# Altium PCB R100.230.010.001-00 Invertor.PcbDoc (part 1 of 2) (continued)
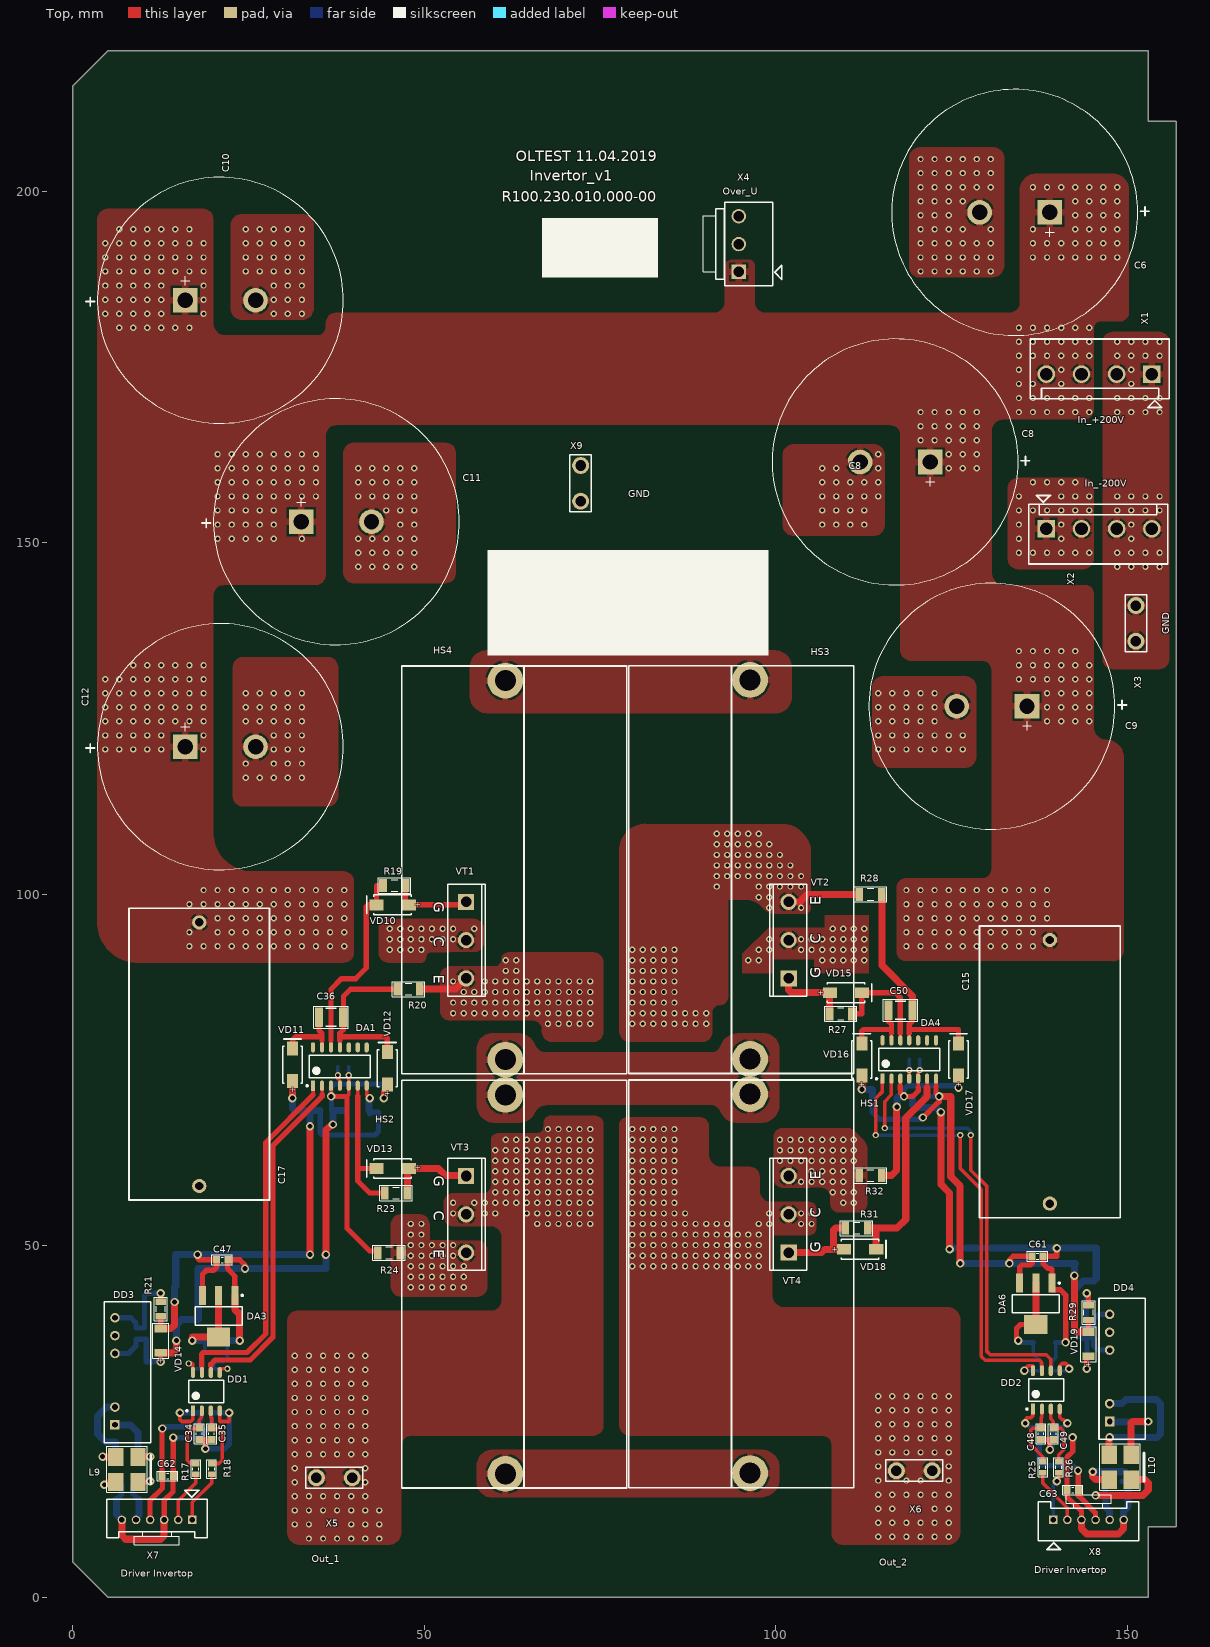
[diagram p0: Top view]
## Footprints (in the part's own frame and the unit in brackets; to place one, negate y for a bottom-side part, rotate by r counter-clockwise, add the part's x,y. Pads: shape width x height; smd on the part's side, far side on the other; paste and mask are expansions set on the pad) (continued)
SMC [mm] "Molded Diode, 2-Leads, Body 6,88x5,90mm, IPC Medium Density"
  rect 2.45x3.15 smd: 1(-2.875,0) 2(2.875,0)
  silkscreen extent -3.6,-3.15 4.67,3.15, body extent -3.79,-3.13 3.79,3.13, height 2.45
SMD_C_0603 [mm]
  rect 1x1.1 smd: 1(-0.8,0) 2(0.8,0)
  silkscreen extent -1.45,-0.7 1.45,0.7, body extent -0.9,-0.45 0.9,0.45, height 0.7
SMD_C_1206 [mm]
  rect 1.45x1.9 smd: 1(-1.6,0) 2(1.6,0)
  silkscreen extent -2.47,-1.1 2.47,1.1, body extent -1.7,-0.9 1.7,0.9, height 1.6
SMD_C_1210 [mm] "Chip Capacitor, 2-Leads, Body 3,20x2,50mm, IPC Low Density"
  rect 1.15x2.8 smd: 1(-1.725,0) 2(1.725,0)
  silkscreen extent -2.47,-1.55 2.47,1.57, body extent -1.75,-1.35 1.75,1.35, height 2.5
SMD_C_1808 [mm] "Chip Capacitor, 2-Leads, Body 4,60x2,00mm, IPC Medium Density"
  rect 1.5x2.4 smd: 1(-2.025,0) 2(2.025,0)
  silkscreen extent -0.75,-1.1 0.75,1.1, body extent -2.55,-1.1 2.55,1.1, height 2.2
SMD_C_1812 [mm] "Chip Capacitor, 2-Leads, Body 4,50x3,20mm, IPC Medium Density"
  rect 1.05x3.5 smd: 1(-2.275,0) 2(2.275,0)
  silkscreen extent -1.35,-1.65 1.35,1.65, body extent -2.45,-1.75 2.45,1.75, height 2
SMD_C_2220 [mm]
  rect 1.05x5.4 smd: 1(-2.875,0) 2(2.875,0)
  silkscreen extent -1.95,-2.6 1.95,2.6, body extent -3.05,-2.7 3.05,2.7, height 2
SMD_R_0603 [mm]
  rect 0.8x1.05 smd: 1(-0.775,0) 2(0.775,0)
  silkscreen extent -1.33,-0.67 1.33,0.67, body extent -0.82,-0.48 0.82,0.48, height 0.5
SMD_R_0805 [mm]
  rect 0.9x1.5 smd: 1(-1.05,0) 2(1.05,0)
  silkscreen extent -1.68,-0.92 1.68,0.92, body extent -1.1,-0.7 1.1,0.7, height 0.5
SMD_R_1206 [mm]
  rect 1.1x1.85 smd: 1(-1.6,0) 2(1.6,0)
  silkscreen extent -2.3,-1.07 2.3,1.07, body extent -1.65,-0.87 1.65,0.87, height 0.6
SMD_R_2512 [mm]
  rect 1.23x3.33 smd: 1(-2.985,0) 2(2.985,0)
  silkscreen extent -2,-1.57 2,1.57, body extent -3.25,-1.65 3.25,1.65, height 0.6
SOD80C [mm] "MELF Diode, 2-Leads, Body 3,50x1,53mm, IPC Medium Density"
  rect 1.1x1.75 smd: 1(-1.725,0) 2(1.725,0)
  silkscreen extent -2.5,-1.12 2.5,1.12, body extent -1.85,-0.8 1.85,0.8, height 1.6
SOIC-8 [mm]
  rect 1.55x0.6 smd: 1(-2.725,1.905)
  oval 1.55x0.6 smd: 2(-2.725,0.635) 3(-2.725,-0.635) 4(-2.725,-1.905) 5(2.725,-1.905) 6(2.725,-0.635) 7(2.725,0.635) 8(2.725,1.905)
  silkscreen extent -2.85,-2.5 1.6,2.88, body extent -3,-2.5 3,2.5, height 1.75
SOIC-14(127P600X175) [mm] "SOIC, 14-Leads, Body 8,65x3,90mm, Pitch 1,27mm, IPC Medium Density"
  rect 1.45x0.6 smd: 1(-2.725,3.81)
  oval 1.45x0.6 smd: 2(-2.725,2.54) 3(-2.725,1.27) 4(-2.725,0) 5(-2.725,-1.27) 6(-2.725,-2.54) 7(-2.725,-3.81) 8(2.725,-3.81) 9(2.725,-2.54) 10(2.725,-1.27) 11(2.725,0) 12(2.725,1.27) 13(2.725,2.54) 14(2.725,3.81)
  silkscreen extent -2.85,-4.35 1.6,4.78, body extent -3,-4.35 3,4.35, height 1.75
SOT-223_M [mm] "SOT223, 4-Leads, Body 6.5x3.5mm, Pitch 2.3mm, Lead Span 7mm, IPC Low Density"
  rect 2.7x1 smd: 1(-2.95,2.3) 2(-2.95,0) 3(-2.95,-2.3)
  rect 2.7x3.3 smd: 4(2.95,0)
  silkscreen extent -3.07,-3.35 1.3,3.48, body extent -1.85,-3.35 1.85,3.35, height 1.8
TO-247AC-3PINS [mm] "SIP with Mounting Hole; 3 Leads; Body 20 x 15.6 x 5 mm (typ); Pitch 5.45 mm"
  rect 2.3x2.3 hole 1.5: 1(-5.45,0)
  round 2.3 hole 1.5: 2(0,0) 3(5.45,0)
  silkscreen extent -7.95,-2.6 7.95,2.7, body extent -7.75,-3 7.75,2, height 30.5

## Part data
C1 C5 C7 C30: library part "C X1Y2 4700pF SMD 2220 250Vac 10%", "SMD C2220 MURATA 250Vac 10% X7R X1Y2"
C2 C3 C26 C29: library part "C1808 1.5nF 2KV 10%", "SMD C 1808 AVX 2kV 10%  X7R"
C4 C16 C24 C33: library part "C1812 0.1u 630V 10%", "SMD C 1812 MURATA 630V 10% X7R"
C6 C8 C9 C10 C11 C12: library part "FC 470uF 20% 450V", "Aluminum Electrolytic Radial D35 H45 LS10 450V 20%"
C15 C17: library part "MKP1 2.2uF 10% 600VDC", "Polypropelene W20 H39.5 L41.5 LS37.5 600VDC 10%"
C34 C35 C48 C49: library part "C0603 100p 100V 5%", "SMD C 0603 MURATA 100V 5% NP0"
C36 C45 C50 C59: library part "C1210 2.2u 100V 10%", "SMD C 1210 MURATA 100V 10% X7R"
C37 C38 C39 C41 C44 C47 C51 C52 C53 C57 C58 C61: library part "C0603 0.1u 50V 10%", "SMD C 0603 MURATA 50V 10% X7R"
C40 C42 C43 C46 C54 C55 C56 C60: library part "C1206 10u 25V 20%", "SMD C 1206 MURATA 25V 20% X5R"
C62 C63: library part "C0603 1uF 25V 10%", "SMD C 0603 MURATA 25V 10% X7R"
DA1 DA4: "Half-Bridge Driver"
DA3 DA6: "Voltage regulator 5.0V 800mA"
DD1 DD2: "Dual Channel Digital Isolator, Enhanced System-Level ESD Reliability, 2.5 KV rms Insulation Rating, 1 Mbps Data Rate, 150 ns Delay, Industrial, 8-pin SOIC (R-8), Tube"
DD3 DD4: "DC/DC"
HS1 HS2 HS3 HS4: "Heat Sink"
L9 L10: "SMD Common Mode Choke Coil 0.5A Z = 3000 Ohm / 100 MHz"
R2 R3 R8 R9: library part "R2512 4.7 1%", "SMD R 2512 VISHAY 1W 500V 1% 100ppm"
R17 R18 R25 R26: library part "R0603 100 1%", "SMD R 0603 VISHAY 0.1W 75V 1% 100ppm"
R19 R23 R27 R31: library part "R1206 6.2 1%", "SMD R 1206 VISHAY 0.25W 200V 1% 100ppm"
R20 R24 R28 R32: library part "R1206 1 1%", "SMD R 1206 VISHAY 0.25W 200V 1% 100ppm"
R21 R29: library part "R0805 49.9 1%", "SMD R 0805 VISHAY 0.125W 150V 1% 100ppm"
R22 R30: library part "R0603 0R 1%", "SMD R 0603 VISHAY 0.1W 75V 1% 100ppm"
VD2 VD3 VD5 VD6: "If=4A, Vf=0.76V Vrrm=200V Diode (SMC)"
VD10 VD13 VD15 VD18: "Vr=100V If=1A Ultrafast"
VD11 VD12 VD16 VD17: "Vr=1000V If=1A Ultrafast"
VD14 VD19: "0.5W Vz=16V +-5%"
VT1 VT2 VT3 VT4: "Insulated Gate Bipolar Transistor with Ultrafast Soft Recovery Diode"
X1 X2: "NV 4 конт LS=5.0 10A 250V PCB"
X3 X5 X6 X9: "PCB, 6.3х0.8, hole"
X4: "VH Top, 10A 250V 3.96mm"
X7 X8: library part 35363-0650, "Sherlock 6 Side, 2A 125V 2mm"

## Free pads (board coordinates)
  rrect20% 2.5x3.5 on Bottom Solder: 5(3.25,53.75) 5(3.25,57.75) 5(3.25,61.75) 5(3.25,65.75) 5(3.25,69.75) 5(3.25,73.75) 5(3.25,77.75) 5(3.25,81.75) 5(3.25,85.75) 5(3.25,89.75) 5(3.25,93.75) 5(3.25,97.75) 5(3.25,101.75) 5(5.25,105.75) 5(5.25,109.75) 5(5.25,113.75) 5(6.25,53.75) 5(6.25,57.75) 5(6.25,61.75) 5(6.25,65.75) 5(6.25,69.75) 5(6.25,73.75) 5(6.25,77.75) 5(6.25,81.75) 5(6.25,85.75) 5(6.25,89.75) 5(6.25,93.75) 5(6.25,97.75) 5(6.25,101.75) 5(8.25,105.75) 5(8.25,109.75) 5(8.25,113.75) 5(9.25,53.75) 5(9.25,57.75) 5(9.25,61.75) 5(9.25,65.75) 5(9.25,69.75) 5(9.25,73.75) 5(9.25,77.75) 5(9.25,81.75) 5(9.25,85.75) 5(9.25,89.75) 5(9.25,93.75) 5(9.25,97.75) 5(9.25,101.75) 5(11.25,105.75) 5(11.25,109.75) 5(11.25,113.75) 5(12.25,53.75) 5(12.25,57.75) 5(12.25,61.75) 5(12.25,65.75) 5(12.25,69.75) 5(12.25,73.75) 5(12.25,77.75) 5(12.25,81.75) 5(12.25,85.75) 5(12.25,89.75) 5(12.25,93.75) 5(12.25,97.75) 5(12.25,101.75) 5(14.25,105.75) 5(14.25,109.75) 5(14.25,113.75) 5(15.25,53.75) 5(15.25,57.75) 5(15.25,61.75) 5(17.25,105.75) 5(17.25,109.75) 5(17.25,113.75) 5(18.25,53.75) 5(18.25,61.75) 5(20.25,105.75) 5(20.25,109.75) 5(20.25,113.75) 5(21.25,53.75) 5(21.25,57.75) 5(21.25,61.75) 5(23.25,105.75) 5(23.25,109.75) 5(23.25,113.75) 5(23.5,172) 5(23.5,176) 5(23.5,180) 5(24.25,53.75) 5(24.25,57.75) 5(24.25,61.75) 5(24.5,132) 5(24.5,136) 5(24.5,140) 5(24.5,144) 5(26.25,105.75) 5(26.25,109.75) 5(26.25,113.75) 5(26.5,172) 5(26.5,176) 5(26.5,180) 5(27.25,53.75) 5(27.25,57.75) 5(27.25,61.75) 5(27.5,132) 5(27.5,136) 5(27.5,140) 5(27.5,144) 5(29.25,105.75) 5(29.25,109.75) 5(29.25,113.75) 5(29.5,172) 5(29.5,176) 5(29.5,180) 5(30.25,53.75) 5(30.25,57.75) 5(30.25,61.75) 5(30.5,132) 5(30.5,136) 5(30.5,140) 5(30.5,144) 5(32.25,105.75) 5(32.25,109.75) 5(32.25,113.75) 5(32.5,172) 5(32.5,176) 5(32.5,180) 5(33.25,53.75) 5(33.25,57.75) 5(33.25,61.75) 5(33.5,132) 5(33.5,136) 5(33.5,140) 5(33.5,144) 5(35.25,108) 5(35.25,112) 5(35.25,116) 5(35.25,120) 5(35.25,124) 5(35.25,128) 5(35.5,180) 5(35.5,172) 5(35.5,176) 5(35.5,184) 5(35.5,188) 5(35.5,192) 5(35.5,196) 5(36.25,53.75) 5(36.25,57.75) 5(36.25,61.75) 5(36.5,132) 5(36.5,136) 5(36.5,140) 5(36.5,144) 5(38.25,108) 5(38.25,112) 5(38.25,116) 5(38.25,120) 5(38.25,124) 5(38.25,128) 5(38.5,180) 5(38.5,168) 5(38.5,172) 5(38.5,176) 5(38.5,184) 5(38.5,188) 5(38.5,192) 5(38.5,196) 5(39.25,53.75) 5(39.25,57.75) 5(39.25,61.75) 5(39.5,132) 5(39.5,136) 5(39.5,140) 5(39.5,144) 5(41.5,180) 5(41.5,164) 5(41.5,168) 5(41.5,172) 5(41.5,176) 5(41.5,184) 5(41.5,188) 5(41.5,192) 5(41.5,196) 5(42.25,41.75) 5(42.25,45.75) 5(42.25,49.75) 5(42.25,53.75) 5(42.25,57.75) 5(42.25,61.75) 5(42.5,132) 5(42.5,136) 5(42.5,140) 5(42.5,144) 5(44.5,180) 5(44.5,164) 5(44.5,168) 5(44.5,172) 5(44.5,176) 5(44.5,184) 5(44.5,188) 5(44.5,192) 5(44.5,196) 5(45.25,41.75) 5(45.25,45.75) 5(45.25,49.75) 5(45.25,53.75) 5(45.25,57.75) 5(45.25,61.75) 5(45.5,132) 5(45.5,136) 5(45.5,140) 5(45.5,144) 5(46.5,10.5) 5(47.5,180) 5(47.5,164) 5(47.5,168) 5(47.5,172) 5(47.5,176) 5(47.5,184) 5(47.5,188) 5(47.5,192) 5(47.5,196) 5(48.5,132) 5(48.5,136) 5(48.5,140) 5(48.5,144) 5(49.5,10.5) 5(50.5,180) 5(50.5,164) 5(50.5,168) 5(50.5,172) 5(50.5,176) 5(50.5,184) 5(50.5,188) 5(50.5,192) 5(50.5,196) 5(51.5,132) 5(51.5,136) 5(51.5,140) 5(51.5,144) 5(51.5,148) 5(51.5,152) 5(51.5,156) 5(51.5,160) 5(52.5,10.5) 5(53.75,168) 5(53.75,172) 5(53.75,176) 5(53.75,180) 5(55.5,10.5) 5(56.75,168) 5(56.75,172) 5(56.75,176) 5(56.75,180) 5(58.5,10.5) 5(59.75,168) 5(59.75,172) 5(59.75,176) 5(59.75,180) 5(61.5,10.5) 5(62.75,168) 5(62.75,172) 5(62.75,176) 5(62.75,180) 5(64.5,10.5) 5(65.75,168) 5(65.75,172) 5(65.75,176) 5(65.75,180) 5(67.5,10.5) 5(67.5,14.5) 5(67.5,18.5) 5(67.5,22.5) 5(67.5,26.5) 5(67.5,30.5) 5(67.5,34.5) 5(67.5,38.5) 5(67.5,42.5) 5(67.5,46.5) 5(67.5,50.5) 5(67.5,70.25) 5(67.5,74.25) 5(67.5,78.25) 5(68.75,168) 5(68.75,172) 5(68.75,176) 5(68.75,180) 5(70.5,10.5) 5(70.5,14.5) 5(70.5,18.5) 5(70.5,22.5) 5(70.5,26.5) 5(70.5,30.5) 5(70.5,34.5) 5(70.5,38.5) 5(70.5,42.5) 5(70.5,46.5) 5(70.5,50.5) 5(70.5,70.25) 5(70.5,74.25) 5(70.5,78.25) 5(71.75,168) 5(71.75,172) 5(71.75,176) 5(71.75,180) 5(73.5,10.5) 5(73.5,14.5) 5(73.5,18.5) 5(73.5,22.5) 5(73.5,26.5) 5(73.5,30.5) 5(73.5,34.5) 5(73.5,38.5) 5(73.5,42.5) 5(73.5,46.5) 5(73.5,50.5) 5(73.5,70.25) 5(73.5,74.25) 5(73.5,78.25) 5(74.75,168) 5(74.75,172) 5(74.75,176) 5(74.75,180) 5(77.75,168) 5(77.75,172) 5(77.75,176) 5(77.75,180) 5(79.25,107) 5(79.25,12.5) 5(79.25,16.5) 5(79.25,20.5) 5(79.25,24.5) 5(79.25,28.5) 5(79.25,32.5) 5(79.25,36.5) 5(79.25,40.5) 5(79.25,44.5) 5(79.25,102.75) 5(80,70.25) 5(80,74.25) 5(80,78.25) 5(80.25,94.5) 5(80.25,98.75) 5(80.75,168) 5(80.75,172) 5(80.75,176) 5(80.75,180) 5(82.25,12.5) 5(82.25,16.5) 5(82.25,20.5) 5(82.25,24.5) 5(82.25,28.5) 5(82.25,32.5) 5(82.25,36.5) 5(82.25,40.5) 5(82.25,44.5) 5(82.25,107) 5(82.25,102.75) 5(83,70.25) 5(83,74.25) 5(83,78.25) 5(83.25,94.5) 5(83.25,98.75) 5(83.75,168) 5(83.75,172) 5(83.75,176) 5(83.75,180) 5(85.25,12.5) 5(85.25,16.5) 5(85.25,20.5) 5(85.25,24.5) 5(85.25,28.5) 5(85.25,32.5) 5(85.25,36.5) 5(85.25,40.5) 5(85.25,44.5) 5(85.25,107) 5(85.25,102.75) 5(86,74.25) 5(86,78.25) 5(86.75,168) 5(86.75,172) 5(86.75,176) 5(86.75,180) 5(88.25,107) 5(88.25,12.5) 5(88.25,16.5) 5(88.25,20.5) 5(88.25,24.5) 5(88.25,28.5) 5(88.25,32.5) 5(88.25,36.5) 5(88.25,40.5) 5(88.25,44.5) 5(89,74.25) 5(89,78.25) 5(89.75,168) 5(89.75,172) 5(89.75,176) 5(89.75,180) 5(91.25,44.5) 5(91.25,10.75) 5(92.75,168) 5(92.75,172) 5(92.75,176) 5(92.75,180) 5(94.25,44.5) 5(94.25,10.75) 5(95.75,168) 5(95.75,172) 5(95.75,176) 5(95.75,180) 5(97.25,44.5) 5(97.25,10.75) 5(98.75,168) 5(98.75,172) 5(98.75,176) 5(98.75,180) 5(100.25,10.75) 5(101.25,144) 5(101.25,148) 5(101.25,152) 5(101.25,156) 5(101.25,160) 5(101.25,164) 5(101.75,184) 5(101.75,188) 5(101.75,192) 5(101.75,196) 5(101.75,200) 5(101.75,204) 5(101.75,168) 5(101.75,172) 5(101.75,176) 5(101.75,180) 5(103.25,10.75) 5(104.25,144) 5(104.25,148) 5(104.25,152) 5(104.25,156) 5(104.25,160) 5(104.25,164) 5(104.75,184) 5(104.75,188) 5(104.75,192) 5(104.75,196) 5(104.75,200) 5(104.75,204) 5(104.75,168) 5(104.75,172) 5(104.75,176) 5(104.75,180) 5(106.25,10.75) 5(107.25,164) 5(107.25,141.5) 5(107.25,145.5) 5(107.25,149.5) 5(107.75,184) 5(107.75,188) 5(107.75,168) 5(107.75,172) 5(107.75,176) 5(107.75,192) 5(107.75,196) 5(107.75,200) 5(107.75,204) 5(107.75,180) 5(109.25,10.75) 5(110.25,141.5) 5(110.25,145.5) 5(110.25,149.5) 5(110.75,184) 5(110.75,188) 5(110.75,192) 5(110.75,196) 5(110.75,200) 5(110.75,204) 5(110.75,168) 5(110.75,172) 5(110.75,176) 5(110.75,180) 5(112.25,10.75) 5(113.25,141.5) 5(113.25,145.5) 5(113.25,149.5) 5(113.75,184) 5(113.75,188) 5(113.75,168) 5(113.75,172) 5(113.75,176) 5(113.75,192) 5(113.75,196) 5(113.75,200) 5(113.75,204) 5(113.75,180) 5(115.25,57.5) 5(115.25,61.5) 5(115.25,112.5) 5(115.25,116.5) 5(115.75,133.25) 5(115.75,137.25) 5(116.25,141.5) 5(116.25,145.5) 5(116.25,149.5) 5(116.25,153.5) 5(116.75,192) 5(116.75,196) 5(116.75,200) 5(116.75,204) 5(118.25,57.5) 5(118.25,61.5) 5(118.25,108.5) 5(118.25,112.5) 5(118.25,116.5) 5(118.75,133.25) 5(118.75,137.25) 5(119.25,141.5) 5(119.25,145.5) 5(119.25,149.5) 5(119.25,153.5) 5(121.25,53.5) 5(121.25,57.5) 5(121.25,61.5) 5(121.25,108.5) 5(121.25,112.5) 5(121.25,116.5) 5(121.75,133.25) 5(121.75,137.25) 5(122.25,141.5) 5(122.25,145.5) 5(122.25,149.5) 5(122.25,153.5) 5(124.25,53.5) 5(124.25,57.5) 5(124.25,61.5) 5(124.25,108.5) 5(124.25,112.5) 5(124.25,116.5) 5(124.75,133.25) 5(124.75,137.25) 5(125.25,141.5) 5(125.25,145.5) 5(125.25,149.5) 5(125.25,153.5) 5(127.25,53.5) 5(127.25,57.5) 5(127.25,61.5) 5(127.25,108.5) 5(127.25,112.5) 5(127.25,116.5) 5(127.75,133.25) 5(127.75,137.25) 5(128.25,141.5) 5(128.25,145.5) 5(128.25,149.5) 5(128.25,153.5) 5(130.25,57.5) 5(130.25,53.5) 5(130.25,61.5) 5(130.25,108.5) 5(130.25,112.5) 5(130.25,116.5) 5(131.25,141.5) 5(131.25,145.5) 5(131.25,149.5) 5(131.25,153.5) 5(133.25,53.5) 5(133.25,57.5) 5(133.25,61.5) 5(133.25,108.5) 5(133.25,112.5) 5(133.25,116.5) 5(134.25,141.5) 5(134.25,145.5) 5(136.25,53.5) 5(136.25,61.5) 5(136.25,108.5) 5(136.25,112.5) 5(136.25,116.5) 5(137.25,141.5) 5(137.25,145.5) 5(139.25,53.5) 5(139.25,61.5) 5(139.25,108.5) 5(139.25,112.5) 5(139.25,116.5) 5(140.25,141.5) 5(140.25,145.5) 5(142.25,53.5) 5(142.25,61.5) 5(142.25,108.5) 5(142.25,112.5) 5(142.25,116.5) 5(143.25,141.5) 5(143.25,145.5) 5(145.25,56.5) 5(145.25,60.5) 5(145.25,64.5) 5(145.25,68.5) 5(145.25,72.5) 5(145.25,76.5) 5(145.25,80.5) 5(145.25,84.5) 5(145.25,88.5) 5(145.25,92.5) 5(145.25,96.5) 5(145.25,100.5) 5(145.25,104.5) 5(145.25,108.5) 5(145.25,112.5) 5(145.25,116.5) 5(148.25,56.5) 5(148.25,60.5) 5(148.25,64.5) 5(148.25,68.5) 5(148.25,72.5) 5(148.25,76.5) 5(148.25,80.5) 5(148.25,84.5) 5(148.25,88.5) 5(148.25,92.5) 5(148.25,96.5) 5(148.25,100.5) 5(148.25,104.5) 5(148.25,108.5) 5(148.25,112.5) 5(148.25,116.5) 5(151.25,56.5) 5(151.25,60.5) 5(151.25,64.5) 5(151.25,68.5) 5(151.25,72.5) 5(151.25,76.5) 5(151.25,80.5) 5(151.25,84.5) 5(151.25,88.5) 5(151.25,92.5) 5(151.25,96.5) 5(151.25,100.5) 5(151.25,104.5) 5(151.25,108.5) 5(151.25,112.5) 5(151.25,116.5) 5(154.25,56.5) 5(154.25,60.5) 5(154.25,64.5) 5(154.25,68.5) 5(154.25,72.5) 5(154.25,76.5) 5(154.25,80.5) 5(154.25,84.5) 5(154.25,88.5) 5(154.25,92.5) 5(154.25,96.5) 5(154.25,100.5) 5(154.25,104.5) 5(154.25,108.5) 5(154.25,112.5) 5(154.25,116.5)
  rrect20% 2.5x3.5 on Top Solder: 5(5,99) 5(5,103) 5(5,107) 5(5,111) 5(5,133.5) 5(5,137.5) 5(5,141.5) 5(5,145.5) 5(5,149.5) 5(5,153.5) 5(5,157.5) 5(5,161.5) 5(5,165.5) 5(8,95) 5(8,107) 5(8,99) 5(8,103) 5(8,137.5) 5(8,141.5) 5(8,145.5) 5(8,149.5) 5(8,153.5) 5(8,157.5) 5(8,161.5) 5(8,165.5) 5(11,95) 5(11,99) 5(11,103) 5(11,137.5) 5(11,141.5) 5(11,145.5) 5(11,149.5) 5(11,153.5) 5(11,157.5) 5(11,161.5) 5(11,165.5) 5(14,95) 5(14,99) 5(14,103) 5(14,141.5) 5(14,145.5) 5(14,149.5) 5(14,153.5) 5(14,157.5) 5(14,161.5) 5(14,165.5) 5(17,103) 5(17,141.5) 5(17,145.5) 5(17,149.5) 5(17,153.5) 5(17,157.5) 5(17,161.5) 5(17,165.5) 5(132.5,104) 5(132.5,108) 5(135.5,104) 5(135.5,108) 5(138.5,104) 5(138.5,108) 5(141.5,104) 5(141.5,108) 5(141.5,112) 5(141.5,96) 5(141.5,100) 5(144.5,104) 5(144.5,108) 5(144.5,96) 5(144.5,100) 5(144.5,112) 5(144.5,116) 5(147.5,104) 5(147.5,108) 5(147.5,96) 5(147.5,100) 5(147.5,112) 5(147.5,116)
  rrect20% 3.5x2.5 on Top Solder: 5(37.5,171.5) 5(37.5,174.5) 5(41.5,171.5) 5(41.5,174.5) 5(41.5,177.5) 5(41.5,180.5) 5(45.5,171.5) 5(45.5,174.5) 5(45.5,177.5) 5(45.5,180.5) 5(49.5,168.5) 5(49.5,171.5) 5(49.5,174.5) 5(49.5,177.5) 5(49.5,180.5) 5(53.5,168.5) 5(53.5,171.5) 5(53.5,174.5) 5(53.5,177.5) 5(53.5,180.5) 5(57.5,168.5) 5(57.5,171.5) 5(57.5,174.5) 5(57.5,177.5) 5(57.5,180.5) 5(61.5,168.5) 5(61.5,171.5) 5(61.5,174.5) 5(61.5,177.5) 5(61.5,180.5) 5(65.5,168.5) 5(65.5,171.5) 5(65.5,174.5) 5(65.5,177.5) 5(65.5,180.5) 5(69.5,168.5) 5(69.5,171.5) 5(69.5,174.5) 5(69.5,177.5) 5(69.5,180.5) 5(73.5,168.5) 5(73.5,171.5) 5(73.5,174.5) 5(73.5,177.5) 5(73.5,180.5) 5(77.5,168.5) 5(77.5,171.5) 5(77.5,174.5) 5(77.5,177.5) 5(77.5,180.5) 5(81.5,168.5) 5(81.5,171.5) 5(81.5,174.5) 5(81.5,177.5) 5(81.5,180.5) 5(85.5,168.5) 5(85.5,171.5) 5(85.5,174.5) 5(85.5,177.5) 5(85.5,180.5) 5(89.5,168.5) 5(89.5,171.5) 5(89.5,174.5) 5(89.5,177.5) 5(89.5,180.5) 5(93.5,168.5) 5(93.5,171.5) 5(93.5,174.5) 5(93.5,177.5) 5(93.5,180.5) 5(97.5,168.5) 5(97.5,171.5) 5(97.5,174.5) 5(97.5,177.5) 5(97.5,180.5) 5(101.5,174.5) 5(101.5,177.5) 5(101.5,180.5) 5(105.5,177.5) 5(105.5,180.5) 5(109.5,180.5) 5(113.5,180.5) 5(117.5,180.5) 5(121.5,180.5) 5(125.5,180.5) 5(129.5,177.5) 5(129.5,180.5)

## Via types
v1: diameter 0.9, hole 0.5, Top to Bottom, 1255 vias
v2: diameter 1.2, hole 0.7, Top to Bottom, 53 vias

## Nets (pads, with @x,y where several pads share a name; then routed paths per layer and width w, separated by ;. In a path a pad name is that pad's centre, name@x,y a point inside that pad or via, vN(x,y) a via of type N, cw(c..) or ccw(c..) an arc to the next point about the centre after c; other vN are vias at no path point)
+VIN_200: C1.1 C2.2 C3.2 C4.2 C5.1 C6.1 C8.1 C9.1 C10.1 C11.1 C12.1 C15.1 C16.2 C17.1 C24.2 C33.2 VT1.2 VT2.2 X1.3 X1.4 X4.1
  other v1: 96.1,90.6 97.6,90.6 106.6,90.6 108.1,90.6 109.6,90.6 111.1,90.6 112.6,90.6 45.1,92.1 46.6,92.1 48.1,92.1 49.6,92.1 97.6,92.1 99.1,92.1 103.6,92.1 105.1,92.1 106.6,92.1 108.1,92.1 109.6,92.1 111.1,92.1 112.6,92.1 16.6,92.6 18.6,92.6 20.6,92.6 22.6,92.6 24.6,92.6 26.6,92.6 28.6,92.6 30.6,92.6 32.6,92.6 34.6,92.6 36.6,92.6 38.6,92.6 118.6,92.6 120.6,92.6 122.6,92.6 124.6,92.6 126.6,92.6 128.6,92.6 130.6,92.6 132.6,92.6 134.6,92.6 136.6,92.6 45.1,93.6 46.6,93.6 48.1,93.6 49.6,93.6 51.1,93.6 52.6,93.6 54.1,93.6 99.1,93.6 103.6,93.6 105.1,93.6 106.6,93.6 108.1,93.6 109.6,93.6 111.1,93.6 112.6,93.6 16.6,94.6 20.6,94.6 22.6,94.6 24.6,94.6 26.6,94.6 28.6,94.6 30.6,94.6 32.6,94.6 34.6,94.6 36.6,94.6 38.6,94.6 118.6,94.6 120.6,94.6 122.6,94.6 124.6,94.6 126.6,94.6 128.6,94.6 130.6,94.6 132.6,94.6 134.6,94.6 136.6,94.6 45.1,95.1 46.6,95.1 48.1,95.1 49.6,95.1 51.1,95.1 52.6,95.1 54.1,95.1 57.1,95.1 108.1,95.1 109.6,95.1 111.1,95.1 112.6,95.1 20.6,96.6 22.6,96.6 24.6,96.6 26.6,96.6 28.6,96.6 30.6,96.6 32.6,96.6 34.6,96.6 36.6,96.6 38.6,96.6 118.6,96.6 120.6,96.6 122.6,96.6 124.6,96.6 126.6,96.6 128.6,96.6 130.6,96.6 132.6,96.6 134.6,96.6 136.6,96.6 138.6,96.6 16.6,98.6 18.6,98.6 20.6,98.6 22.6,98.6 24.6,98.6 26.6,98.6 28.6,98.6 30.6,98.6 32.6,98.6 34.6,98.6 36.6,98.6 38.6,98.6 118.6,98.6 120.6,98.6 122.6,98.6 124.6,98.6 126.6,98.6 128.6,98.6 130.6,98.6 132.6,98.6 134.6,98.6 136.6,98.6 138.6,98.6 18.6,100.6 20.6,100.6 22.6,100.6 24.6,100.6 26.6,100.6 28.6,100.6 30.6,100.6 32.6,100.6 34.6,100.6 36.6,100.6 38.6,100.6 118.6,100.6 120.6,100.6 122.6,100.6 124.6,100.6 126.6,100.6 128.6,100.6 130.6,100.6 132.6,100.6 134.6,100.6 136.6,100.6 138.6,100.6 4.6,120.6 6.6,120.6 8.6,120.6 10.6,120.6 12.6,120.6 18.6,120.6 4.6,122.6 6.6,122.6 8.6,122.6 10.6,122.6 12.6,122.6 18.6,122.6 4.6,124.6 6.6,124.6 8.6,124.6 10.6,124.6 12.6,124.6 14.6,124.6 16.6,124.6 18.6,124.6 138.6,124.6 140.6,124.6 142.6,124.6 144.6,124.6 4.6,126.6 6.6,126.6 8.6,126.6 10.6,126.6 12.6,126.6 14.6,126.6 16.6,126.6 18.6,126.6 138.6,126.6 140.6,126.6 142.6,126.6 144.6,126.6 4.6,128.6 6.6,128.6 8.6,128.6 10.6,128.6 12.6,128.6 14.6,128.6 16.6,128.6 18.6,128.6 138.6,128.6 140.6,128.6 142.6,128.6 144.6,128.6 4.6,130.6 6.6,130.6 8.6,130.6 10.6,130.6 12.6,130.6 14.6,130.6 16.6,130.6 18.6,130.6 134.6,130.6 136.6,130.6 138.6,130.6 140.6,130.6 142.6,130.6 144.6,130.6 8.6,132.6 10.6,132.6 12.6,132.6 14.6,132.6 16.6,132.6 18.6,132.6 134.6,132.6 136.6,132.6 138.6,132.6 140.6,132.6 142.6,132.6 144.6,132.6 134.6,134.6 136.6,134.6 138.6,134.6 140.6,134.6 142.6,134.6 20.6,150.6 22.6,150.6 24.6,150.6 26.6,150.6 28.6,150.6 32.6,150.6 20.6,152.6 22.6,152.6 24.6,152.6 26.6,152.6 28.6,152.6 20.6,154.6 22.6,154.6 24.6,154.6 26.6,154.6 28.6,154.6 20.6,156.6 22.6,156.6 24.6,156.6 26.6,156.6 28.6,156.6 30.6,156.6 32.6,156.6 34.6,156.6 20.6,158.6 22.6,158.6 24.6,158.6 26.6,158.6 28.6,158.6 30.6,158.6 32.6,158.6 34.6,158.6 20.6,160.6 22.6,160.6 24.6,160.6 26.6,160.6 28.6,160.6 30.6,160.6 32.6,160.6 34.6,160.6 124.6,160.6 126.6,160.6 128.6,160.6 20.6,162.6 22.6,162.6 24.6,162.6 26.6,162.6 28.6,162.6 30.6,162.6 32.6,162.6 34.6,162.6 124.6,162.6 126.6,162.6 128.6,162.6 120.6,164.6 122.6,164.6 124.6,164.6 126.6,164.6 128.6,164.6 120.6,166.6 122.6,166.6 124.6,166.6 126.6,166.6 128.6,166.6 120.6,168.6 122.6,168.6 124.6,168.6 126.6,168.6 128.6,168.6 134.6,168.6 136.6,168.6 138.6,168.6 140.6,168.6 142.6,168.6 144.6,168.6 134.6,170.6 136.6,170.6 138.6,170.6 140.6,170.6 142.6,170.6 144.6,170.6 134.6,172.6 136.6,172.6 140.6,172.6 134.6,174.6 140.6,174.6 134.6,176.6 136.6,176.6 138.6,176.6 140.6,176.6 142.6,176.6 144.6,176.6 134.6,178.6 136.6,178.6 138.6,178.6 140.6,178.6 142.6,178.6 144.6,178.6 6.6,180.6 8.6,180.6 10.6,180.6 12.6,180.6 14.6,180.6 16.6,180.6 134.6,180.6 136.6,180.6 138.6,180.6 140.6,180.6 142.6,180.6 144.6,180.6 4.6,182.6 6.6,182.6 8.6,182.6 10.6,182.6 12.6,182.6 18.6,182.6 4.6,184.6 6.6,184.6 8.6,184.6 10.6,184.6 12.6,184.6 18.6,184.6 4.6,186.6 6.6,186.6 8.6,186.6 10.6,186.6 12.6,186.6 18.6,186.6 4.6,188.6 6.6,188.6 8.6,188.6 10.6,188.6 12.6,188.6 14.6,188.6 16.6,188.6 18.6,188.6 4.6,190.6 6.6,190.6 8.6,190.6 10.6,190.6 12.6,190.6 14.6,190.6 16.6,190.6 18.6,190.6 136.6,190.6 138.6,190.6 140.6,190.6 142.6,190.6 144.6,190.6 146.6,190.6 148.6,190.6 4.6,192.6 6.6,192.6 8.6,192.6 10.6,192.6 12.6,192.6 14.6,192.6 16.6,192.6 18.6,192.6 136.6,192.6 138.6,192.6 140.6,192.6 142.6,192.6 144.6,192.6 146.6,192.6 148.6,192.6 6.6,194.6 8.6,194.6 10.6,194.6 12.6,194.6 14.6,194.6 16.6,194.6 136.6,194.6 142.6,194.6 144.6,194.6 146.6,194.6 148.6,194.6 142.6,196.6 144.6,196.6 146.6,196.6 148.6,196.6 142.6,198.6 144.6,198.6 146.6,198.6 148.6,198.6 136.6,200.6 138.6,200.6 140.6,200.6 142.6,200.6 144.6,200.6 146.6,200.6 148.6,200.6
-VIN_200: C4.1 C6.2 C7.2 C8.2 C9.2 C10.2 C11.2 C12.2 C15.2 C16.1 C17.2 C24.1 C30.1 C33.1 R8.1 R9.1 R24.2 R32.2 VD5.2 VD6.2 VT3.3 VT4.3 X2.1 X2.2 X4.3
  other v1: 48.1,44.1 49.6,44.1 51.1,44.1 52.6,44.1 54.1,44.1 55.6,44.1 48.1,45.6 49.6,45.6 51.1,45.6 52.6,45.6 54.1,45.6 55.6,45.6 48.1,47.1 49.6,47.1 51.1,47.1 52.6,47.1 54.1,47.1 55.6,47.1 48.1,48.6 49.6,48.6 51.1,48.6 52.6,48.6 54.1,48.6 48.1,50.1 49.6,50.1 51.1,50.1 52.6,50.1 54.1,50.1 48.1,51.6 49.6,51.6 48.1,53.1 49.6,53.1 109.6,56.1 111.1,56.1 108.1,57.6 109.6,57.6 111.1,57.6 103.6,59.1 105.1,59.1 106.6,59.1 108.1,59.1 109.6,59.1 105.1,60.6 106.6,60.6 108.1,60.6 109.6,60.6 100.6,62.1 102.1,62.1 103.6,62.1 105.1,62.1 106.6,62.1 108.1,62.1 109.6,62.1 111.1,62.1 100.6,63.6 102.1,63.6 103.6,63.6 105.1,63.6 106.6,63.6 108.1,63.6 109.6,63.6 111.1,63.6 100.6,65.1 102.1,65.1 103.6,65.1 105.1,65.1 106.6,65.1 108.1,65.1 109.6,65.1 111.1,65.1 24.6,116.6 26.6,116.6 28.6,116.6 30.6,116.6 32.6,116.6 24.6,118.6 28.6,118.6 30.6,118.6 32.6,118.6 28.6,120.6 30.6,120.6 32.6,120.6 114.6,120.6 116.6,120.6 118.6,120.6 120.6,120.6 122.6,120.6 124.6,120.6 126.6,120.6 28.6,122.6 30.6,122.6 32.6,122.6 114.6,122.6 116.6,122.6 118.6,122.6 120.6,122.6 122.6,122.6 124.6,122.6 126.6,122.6 24.6,124.6 26.6,124.6 28.6,124.6 30.6,124.6 32.6,124.6 114.6,124.6 116.6,124.6 118.6,124.6 120.6,124.6 122.6,124.6 24.6,126.6 26.6,126.6 28.6,126.6 30.6,126.6 32.6,126.6 114.6,126.6 116.6,126.6 118.6,126.6 120.6,126.6 122.6,126.6 24.6,128.6 26.6,128.6 28.6,128.6 30.6,128.6 32.6,128.6 114.6,128.6 116.6,128.6 118.6,128.6 120.6,128.6 122.6,128.6 40.6,146.6 42.6,146.6 44.6,146.6 46.6,146.6 48.6,146.6 40.6,148.6 42.6,148.6 44.6,148.6 46.6,148.6 48.6,148.6 134.6,148.6 136.6,148.6 138.6,148.6 140.6,148.6 142.6,148.6 144.6,148.6 40.6,150.6 42.6,150.6 44.6,150.6 46.6,150.6 48.6,150.6 134.6,150.6 140.6,150.6 46.6,152.6 48.6,152.6 106.6,152.6 108.6,152.6 110.6,152.6 112.6,152.6 134.6,152.6 140.6,152.6 44.6,154.6 46.6,154.6 48.6,154.6 106.6,154.6 108.6,154.6 110.6,154.6 112.6,154.6 134.6,154.6 136.6,154.6 138.6,154.6 140.6,154.6 142.6,154.6 144.6,154.6 40.6,156.6 42.6,156.6 44.6,156.6 46.6,156.6 48.6,156.6 106.6,156.6 108.6,156.6 110.6,156.6 112.6,156.6 114.6,156.6 134.6,156.6 140.6,156.6 142.6,156.6 144.6,156.6 40.6,158.6 42.6,158.6 44.6,158.6 46.6,158.6 48.6,158.6 106.6,158.6 108.6,158.6 110.6,158.6 112.6,158.6 114.6,158.6 136.6,158.6 138.6,158.6 140.6,158.6 142.6,158.6 40.6,160.6 42.6,160.6 44.6,160.6 46.6,160.6 48.6,160.6 106.6,160.6 108.6,160.6 114.6,160.6 114.6,162.6 28.6,182.6 30.6,182.6 32.6,182.6 28.6,184.6 30.6,184.6 32.6,184.6 28.6,186.6 30.6,186.6 32.6,186.6 24.6,188.6 26.6,188.6 28.6,188.6 30.6,188.6 32.6,188.6 120.6,188.6 122.6,188.6 124.6,188.6 126.6,188.6 128.6,188.6 130.6,188.6 24.6,190.6 26.6,190.6 28.6,190.6 30.6,190.6 32.6,190.6 120.6,190.6 122.6,190.6 124.6,190.6 126.6,190.6 128.6,190.6 130.6,190.6 24.6,192.6 26.6,192.6 28.6,192.6 30.6,192.6 32.6,192.6 120.6,192.6 122.6,192.6 124.6,192.6 126.6,192.6 128.6,192.6 130.6,192.6 24.6,194.6 26.6,194.6 28.6,194.6 30.6,194.6 32.6,194.6 120.6,194.6 122.6,194.6 124.6,194.6 126.6,194.6 130.6,194.6 120.6,196.6 122.6,196.6 124.6,196.6 120.6,198.6 122.6,198.6 124.6,198.6 126.6,198.6 120.6,200.6 122.6,200.6 124.6,200.6 126.6,200.6 128.6,200.6 130.6,200.6 120.6,202.6 122.6,202.6 124.6,202.6 126.6,202.6 128.6,202.6 130.6,202.6 120.6,204.6 122.6,204.6 124.6,204.6 126.6,204.6 128.6,204.6 130.6,204.6
GND: X1.1 X1.2 X2.3 X2.4 X3.1 X3.2
  other v1: 148.6,146.6 150.6,146.6 152.6,146.6 154.6,146.6 148.6,148.6 150.6,148.6 152.6,148.6 154.6,148.6 150.6,150.6 150.6,152.6 148.6,154.6 150.6,154.6 152.6,154.6 154.6,154.6 148.6,156.6 150.6,156.6 152.6,156.6 154.6,156.6 148.6,168.6 150.6,168.6 152.6,168.6 154.6,168.6 148.6,170.6 150.6,170.6 152.6,170.6 154.6,170.6 150.6,172.6 150.6,174.6 148.6,176.6 150.6,176.6 152.6,176.6 154.6,176.6 148.6,178.6 150.6,178.6 152.6,178.6 154.6,178.6